# Altium PCB PCB1.PcbDoc (part 6 of 15)
Units mm, origin at the board's own origin, x right, y up, seen from the top; angles counter-clockwise.
Board outline 77.21 x 58.7 mm, 2 copper layers (Top Layer, Bottom Layer); 194 components, 134 nets, 25878 pads, 596 vias.
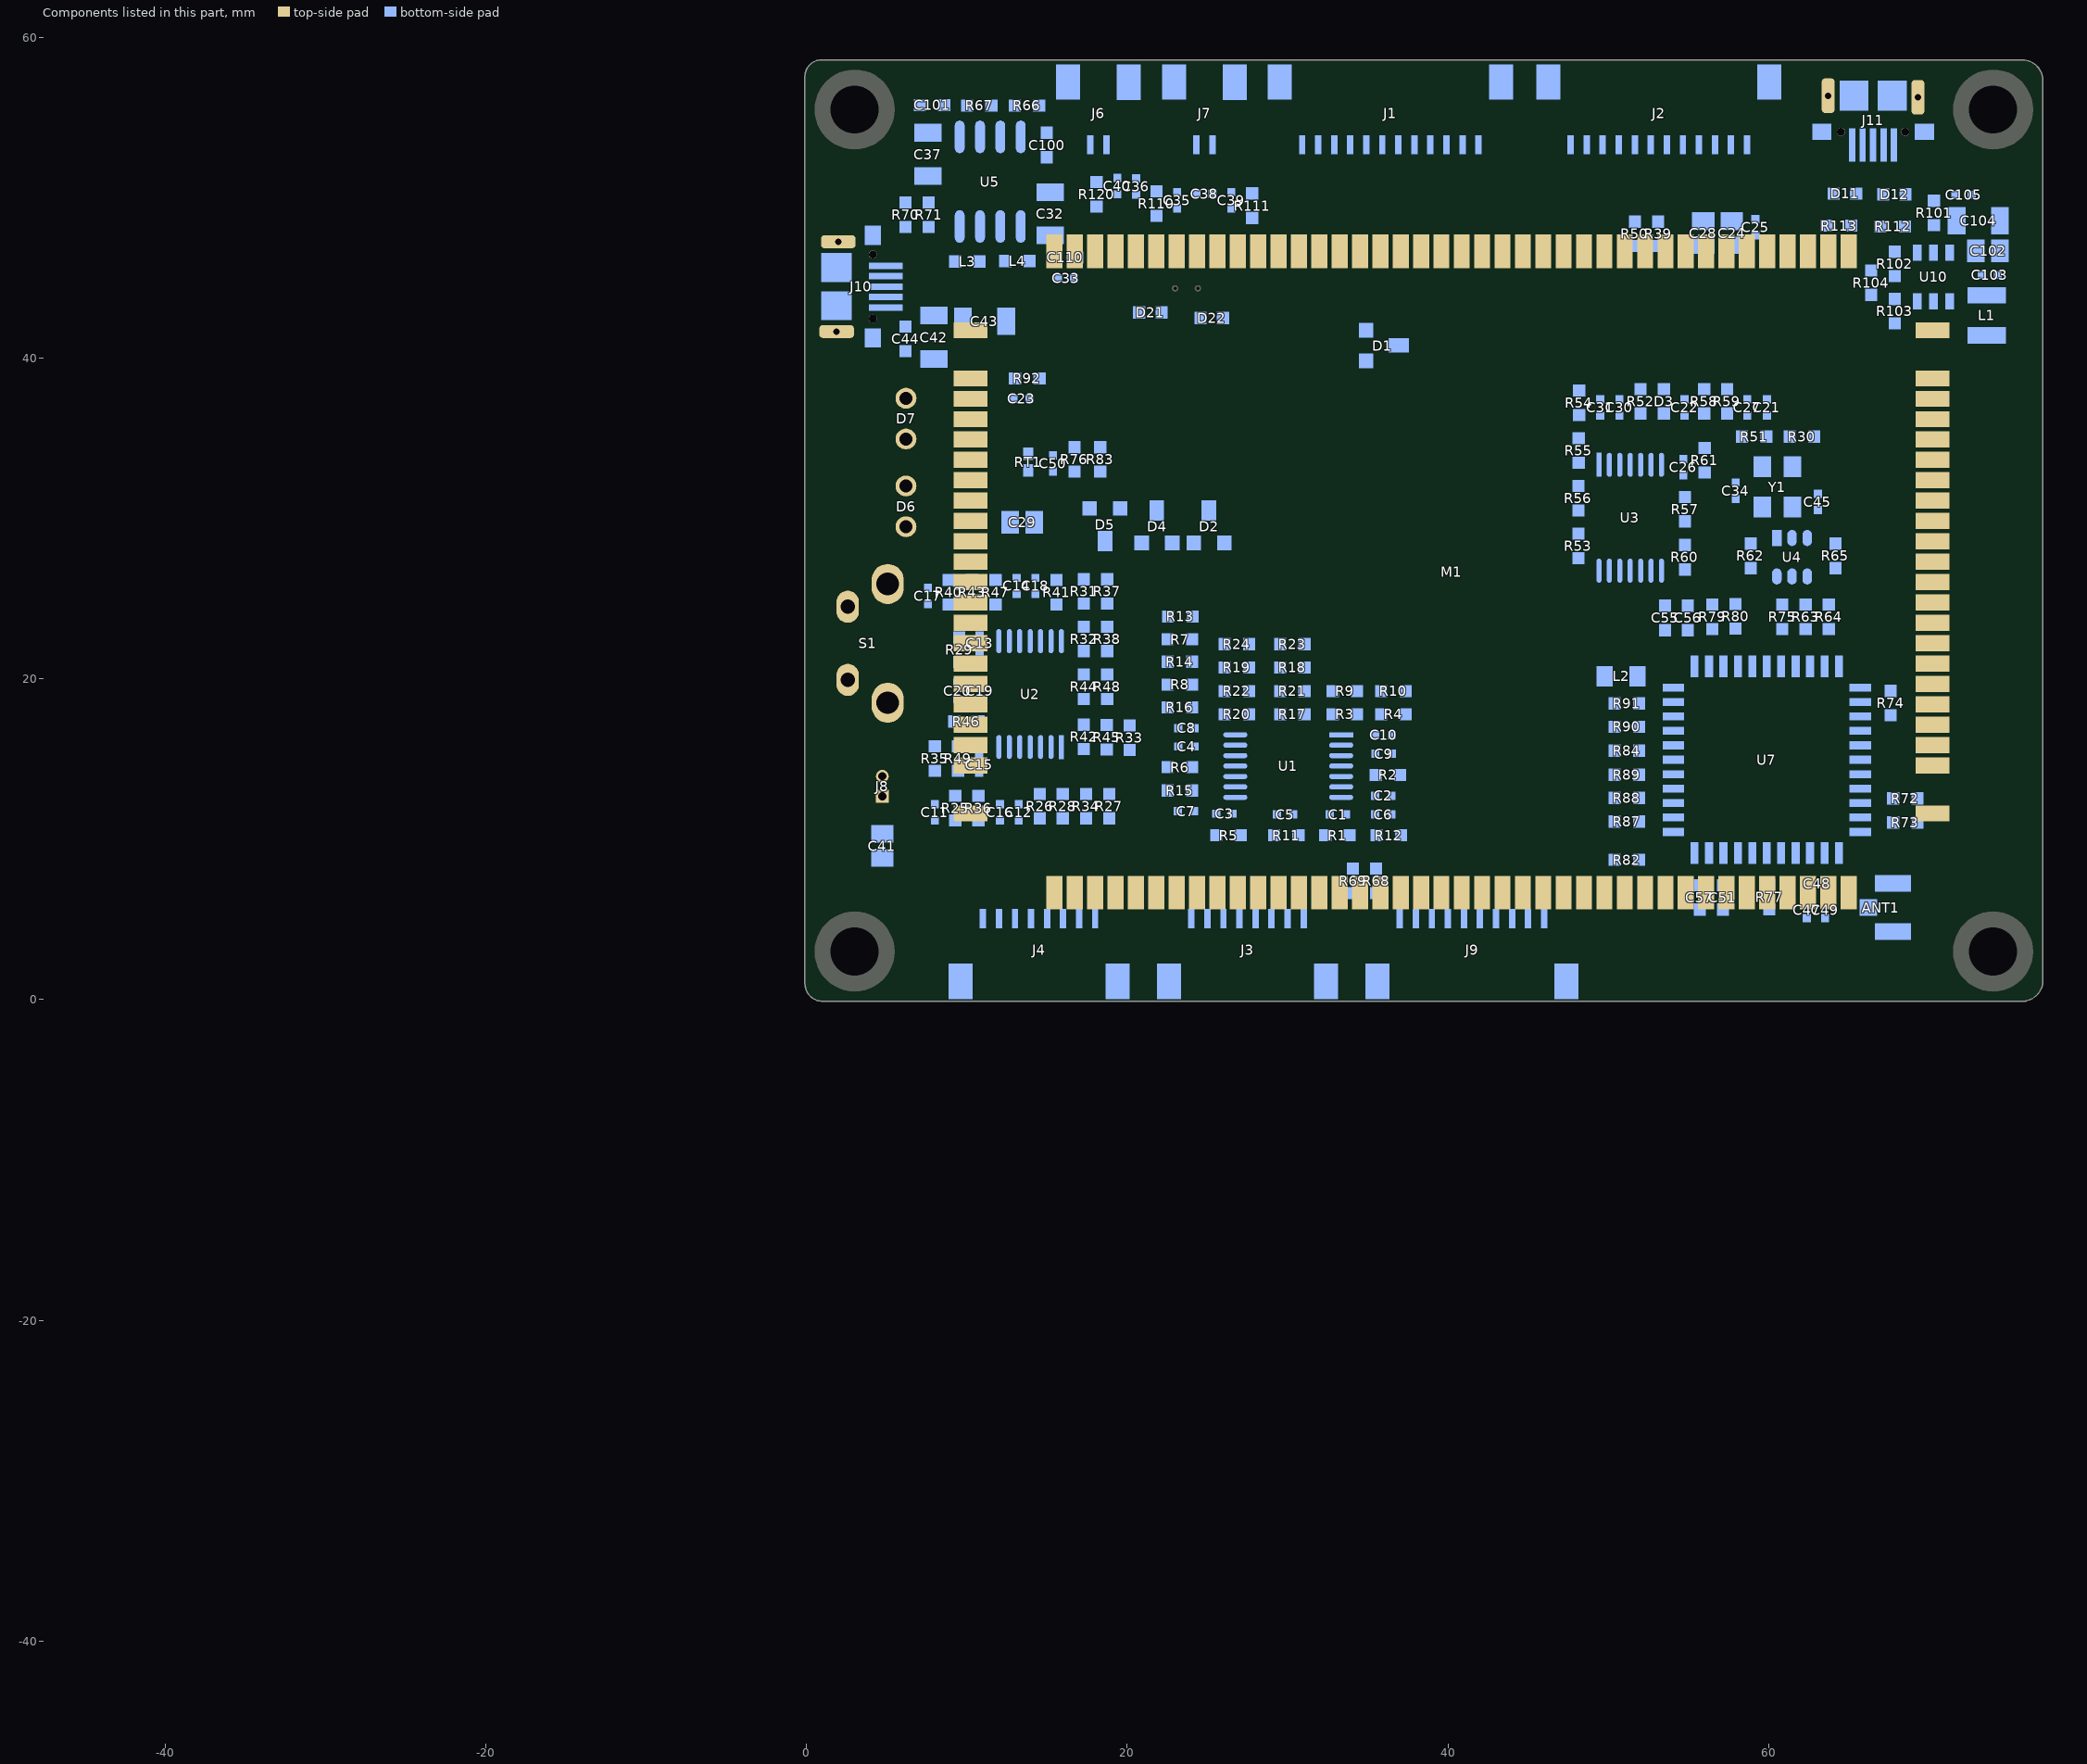
[diagram p6: the components of this part, seen from the top]

## Free pads (board coordinates) (continued)
  round 0 on Mech3: 1(-45.241,-44.023) 1(-45.241,-44.023) 1(-45.241,-44.001) 1(-45.241,-44.001) 1(-45.241,-44.001) 1(-45.241,-44.023) 1(-45.241,-44.023) 1(-45.241,-44.023) 1(-45.241,-44.023) 1(-45.241,-44.023) 1(-45.241,-44.023) 1(-45.241,-44) 1(-45.241,-44) 1(-45.241,-44) 1(-45.24,-43.995) 1(-45.24,-43.995) 1(-45.24,-43.995) 1(-45.24,-43.995) 1(-45.24,-43.995) 1(-45.24,-43.995) 1(-45.24,-43.995) 1(-45.24,-43.995) 1(-45.24,-43.995) 1(-45.24,-43.997) 1(-45.24,-43.997) 1(-45.24,-43.997) 1(-45.24,-43.985) 1(-45.24,-43.985) 1(-45.24,-43.985) 1(-45.24,-43.985) 1(-45.24,-43.985) 1(-45.24,-43.985) 1(-45.24,-43.978) 1(-45.24,-43.978) 1(-45.24,-43.978) 1(-45.24,-43.985) 1(-45.24,-43.985) 1(-45.24,-43.985) 1(-45.24,-43.985) 1(-45.24,-43.985) 1(-45.24,-43.985) 1(-45.24,-44.017) 1(-45.24,-44.017) 1(-45.24,-44.017) 1(-45.24,-43.994) 1(-45.24,-43.994) 1(-45.24,-43.994) 1(-45.24,-43.99) 1(-45.24,-43.99) 1(-45.24,-43.99) 1(-45.239,-44) 1(-45.239,-44) 1(-45.239,-44) 1(-45.239,-43.977) 1(-45.239,-43.977) 1(-45.239,-43.977) 1(-45.239,-44.004) 1(-45.239,-44.004) 1(-45.239,-44.004) 1(-45.239,-44.016) 1(-45.239,-44.016) 1(-45.239,-44.016) 1(-45.239,-43.987) 1(-45.239,-43.987) 1(-45.239,-43.987) 1(-45.239,-44.021) 1(-45.239,-44.021) 1(-45.239,-44.021) 1(-45.239,-44.021) 1(-45.239,-44.021) 1(-45.239,-44.021) 1(-45.239,-44.018) 1(-45.239,-44.018) 1(-45.239,-44.018) 1(-45.239,-43.984) 1(-45.239,-43.984) 1(-45.239,-43.984) 1(-45.239,-43.984) 1(-45.239,-43.984) 1(-45.239,-43.984) 1(-45.239,-43.978) 1(-45.239,-43.978) 1(-45.239,-43.978) 1(-45.239,-44.003) 1(-45.239,-44.003) 1(-45.239,-44.003) 1(-45.239,-44.003) 1(-45.239,-44.003) 1(-45.239,-44.003) 1(-45.239,-44.007) 1(-45.239,-44.007) 1(-45.239,-44.007) 1(-45.238,-43.991) 1(-45.238,-43.991) 1(-45.238,-43.991) 1(-45.238,-43.995) 1(-45.238,-43.995) 1(-45.238,-43.995) 1(-45.238,-43.995) 1(-45.238,-43.995) 1(-45.238,-43.995) 1(-45.238,-43.976) 1(-45.238,-43.976) 1(-45.238,-43.976) 1(-45.238,-43.976) 1(-45.238,-43.976) 1(-45.238,-43.976) 1(-45.238,-44.003) 1(-45.238,-44.003) 1(-45.238,-44.003) 1(-45.238,-43.976) 1(-45.238,-43.976) 1(-45.238,-43.976) 1(-45.238,-43.976) 1(-45.238,-43.976) 1(-45.238,-43.976) 1(-45.238,-43.994) 1(-45.238,-43.994) 1(-45.238,-43.994) 1(-45.238,-44.018) 1(-45.238,-44.018) 1(-45.238,-44.018) 1(-45.237,-44.008) 1(-45.237,-44.008) 1(-45.237,-44.008) 1(-45.237,-44.014) 1(-45.237,-44.014) 1(-45.237,-44.014) 1(-45.237,-44.012) 1(-45.237,-44.012) 1(-45.237,-44.012) 1(-45.237,-44.011) 1(-45.237,-44.011) 1(-45.237,-44.011) 1(-45.237,-44.007) 1(-45.237,-44.007) 1(-45.237,-44.007) 1(-45.237,-43.999) 1(-45.237,-43.999) 1(-45.237,-43.999) 1(-45.237,-44.01) 1(-45.237,-44.01) 1(-45.237,-44.01) 1(-45.237,-44.022) 1(-45.237,-44.022) 1(-45.237,-44.022) 1(-45.237,-44.022) 1(-45.237,-44.022) 1(-45.237,-44.022) 1(-45.237,-44.018) 1(-45.237,-44.018) 1(-45.237,-44.018) 1(-45.237,-44.018) 1(-45.237,-44.018) 1(-45.237,-44.018) 1(-45.237,-43.997) 1(-45.237,-43.997) 1(-45.237,-43.997) 1(-45.237,-43.975) 1(-45.237,-43.975) 1(-45.237,-43.975) 1(-45.237,-43.975) 1(-45.237,-43.975) 1(-45.237,-43.975) 1(-45.237,-43.975) 1(-45.237,-43.975) 1(-45.237,-43.975) 1(-45.237,-43.975) 1(-45.237,-43.975) 1(-45.237,-43.975) 1(-45.236,-44.021) 1(-45.236,-44.021) 1(-45.236,-44.021) 1(-45.236,-44.021) 1(-45.236,-44.021) 1(-45.236,-44.021) 1(-45.236,-44.018) 1(-45.236,-44.018) 1(-45.236,-44.018) 1(-45.236,-44.018) 1(-45.236,-44.018) 1(-45.236,-44.018) 1(-45.236,-43.99) 1(-45.236,-43.99) 1(-45.236,-43.99) 1(-45.236,-44.018) 1(-45.236,-44.018) 1(-45.236,-44.018) 1(-45.236,-44.003) 1(-45.236,-44.003) 1(-45.236,-44.003) 1(-45.236,-43.996) 1(-45.236,-43.996) 1(-45.236,-43.996) 1(-45.236,-43.985) 1(-45.236,-43.985) 1(-45.236,-43.985) 1(-45.236,-43.968) 1(-45.236,-43.968) 1(-45.236,-43.968) 1(-45.236,-44.005) 1(-45.236,-44.005) 1(-45.236,-44.005) 1(-45.236,-43.995) 1(-45.236,-43.995) 1(-45.236,-43.995) 1(-45.236,-43.999) 1(-45.236,-43.999) 1(-45.236,-43.999) 1(-45.236,-43.991) 1(-45.236,-43.991) 1(-45.236,-43.991) 1(-45.235,-44.014) 1(-45.235,-44.014) 1(-45.235,-44.014) 1(-45.235,-44.012) 1(-45.235,-44.012) 1(-45.235,-44.012) 1(-45.235,-44.011) 1(-45.235,-44.011) 1(-45.235,-44.011) 1(-45.235,-44.009) 1(-45.235,-44.009) 1(-45.235,-44.009) 1(-45.235,-44.007) 1(-45.235,-44.007) 1(-45.235,-44.007) 1(-45.235,-44.018) 1(-45.235,-44.018) 1(-45.235,-44.018) 1(-45.235,-44.022) 1(-45.235,-44.022) 1(-45.235,-44.022) 1(-45.235,-44.022) 1(-45.235,-44.022) 1(-45.235,-44.022) 1(-45.235,-44.018) 1(-45.235,-44.018) 1(-45.235,-44.018) 1(-45.235,-44.018) 1(-45.235,-44.018) 1(-45.235,-44.018) 1(-45.235,-43.993) 1(-45.235,-43.993) 1(-45.235,-43.993) 1(-45.234,-43.975) 1(-45.234,-43.975) 1(-45.234,-43.975) 1(-45.234,-44.001) 1(-45.234,-44.001) 1(-45.234,-44.001) 1(-45.234,-44) 1(-45.234,-44) 1(-45.234,-44) 1(-45.234,-43.971) 1(-45.234,-43.971) 1(-45.234,-43.971) 1(-45.234,-43.996) 1(-45.234,-43.996) 1(-45.234,-43.996) 1(-45.234,-44.003) 1(-45.234,-44.003) 1(-45.234,-44.003) 1(-45.234,-43.987) 1(-45.234,-43.987) 1(-45.234,-43.987) 1(-45.234,-43.975) 1(-45.234,-43.975) 1(-45.234,-43.975) 1(-45.234,-43.975) 1(-45.234,-43.975) 1(-45.234,-43.975) 1(-45.234,-44.018) 1(-45.234,-44.018) 1(-45.234,-44.018) 1(-45.234,-44.021) 1(-45.234,-44.021) 1(-45.234,-44.021) 1(-45.234,-44.021) 1(-45.234,-44.021) 1(-45.234,-44.021) 1(-45.234,-44.018) 1(-45.234,-44.018) 1(-45.234,-44.018) 1(-45.234,-44.018) 1(-45.234,-44.018) 1(-45.234,-44.018) 1(-45.234,-44.022) 1(-45.234,-44.022) 1(-45.234,-44.022) 1(-45.234,-43.974) 1(-45.234,-43.974) 1(-45.234,-43.974) 1(-45.234,-43.974) 1(-45.234,-43.974) 1(-45.234,-43.974) 1(-45.233,-44.007) 1(-45.233,-44.007) 1(-45.233,-44.007) 1(-45.233,-44.021) 1(-45.233,-44.021) 1(-45.233,-44.021) 1(-45.233,-44.021) 1(-45.233,-44.021) 1(-45.233,-44.021) 1(-45.233,-44.018) 1(-45.233,-44.018) 1(-45.233,-44.018) 1(-45.233,-44.018) 1(-45.233,-44.018) 1(-45.233,-44.018) 1(-45.233,-44.006) 1(-45.233,-44.006) 1(-45.233,-44.006) 1(-45.233,-44.011) 1(-45.233,-44.011) 1(-45.233,-44.011) 1(-45.233,-44.012) 1(-45.233,-44.012) 1(-45.233,-44.012) 1(-45.233,-44.009) 1(-45.233,-44.009) 1(-45.233,-44.009) 1(-45.232,-44.018) 1(-45.232,-44.018) 1(-45.232,-44.018) 1(-45.232,-44.014) 1(-45.232,-44.014) 1(-45.232,-44.014) 1(-45.232,-43.989) 1(-45.232,-43.989) 1(-45.232,-43.989) 1(-45.232,-43.976) 1(-45.232,-43.976) 1(-45.232,-43.976) 1(-45.232,-43.976) 1(-45.232,-43.976) 1(-45.232,-43.976) 1(-45.232,-43.995) 1(-45.232,-43.995) 1(-45.232,-43.995) 1(-45.232,-43.976) 1(-45.232,-43.976) 1(-45.232,-43.976) 1(-45.232,-43.976) 1(-45.232,-43.976) 1(-45.232,-43.976) 1(-45.232,-44.02) 1(-45.232,-44.02) 1(-45.232,-44.02) 1(-45.232,-44.02) 1(-45.232,-44.02) 1(-45.232,-44.02) 1(-45.232,-43.968) 1(-45.232,-43.968) 1(-45.232,-43.968) 1(-45.232,-43.974) 1(-45.232,-43.974) 1(-45.232,-43.974) 1(-45.232,-43.974) 1(-45.232,-43.974) 1(-45.232,-43.974) 1(-45.232,-43.973) 1(-45.232,-43.973) 1(-45.232,-43.973) 1(-45.232,-43.973) 1(-45.232,-43.973) 1(-45.232,-43.973) 1(-45.232,-43.976) 1(-45.232,-43.976) 1(-45.232,-43.976) 1(-45.232,-43.976) 1(-45.232,-43.976) 1(-45.232,-43.976) 1(-45.232,-44.02) 1(-45.232,-44.02) 1(-45.232,-44.02) 1(-45.232,-44.02) 1(-45.232,-44.02) 1(-45.232,-44.02) 1(-45.232,-44.021) 1(-45.232,-44.021) 1(-45.232,-44.021) 1(-45.231,-43.975) 1(-45.231,-43.975) 1(-45.231,-43.975) 1(-45.231,-43.975) 1(-45.231,-43.975) 1(-45.231,-43.975) 1(-45.231,-43.975) 1(-45.231,-43.975) 1(-45.231,-43.975) 1(-45.231,-43.975) 1(-45.231,-43.975) 1(-45.231,-43.975) 1(-45.231,-43.976) 1(-45.231,-43.976) 1(-45.231,-43.976) 1(-45.231,-43.976) 1(-45.231,-43.976) 1(-45.231,-43.976) 1(-45.231,-43.976) 1(-45.231,-43.976) 1(-45.231,-43.976) 1(-45.231,-43.976) 1(-45.231,-43.976) 1(-45.231,-43.976) 1(-45.231,-44.02) 1(-45.231,-44.02) 1(-45.231,-44.02) 1(-45.231,-44.02) 1(-45.231,-44.02) 1(-45.231,-44.02) 1(-45.231,-44.018) 1(-45.231,-44.018) 1(-45.231,-44.018) 1(-45.231,-44.022) 1(-45.231,-44.022) 1(-45.231,-44.022) 1(-45.231,-43.974) 1(-45.231,-43.974) 1(-45.231,-43.974) 1(-45.231,-43.974) 1(-45.231,-43.974) 1(-45.231,-43.974) 1(-45.231,-43.974) 1(-45.231,-43.974) 1(-45.231,-43.974) 1(-45.231,-43.969) 1(-45.231,-43.969) 1(-45.231,-43.969) 1(-45.231,-43.974) 1(-45.231,-43.974) 1(-45.231,-43.974) 1(-45.231,-43.974) 1(-45.231,-43.974) 1(-45.231,-43.974) 1(-45.231,-43.974) 1(-45.231,-43.974) 1(-45.231,-43.974) 1(-45.231,-43.977) 1(-45.231,-43.977) 1(-45.231,-43.977) 1(-45.231,-43.977) 1(-45.231,-43.977) 1(-45.231,-43.977) 1(-45.231,-43.974) 1(-45.231,-43.974) 1(-45.231,-43.974) 1(-45.231,-43.974) 1(-45.231,-43.974) 1(-45.231,-43.974) 1(-45.231,-43.997) 1(-45.231,-43.997) 1(-45.231,-43.997) 1(-45.231,-43.973) 1(-45.231,-43.973) 1(-45.231,-43.973) 1(-45.231,-43.973) 1(-45.231,-43.973) 1(-45.231,-43.973) 1(-45.231,-43.991) 1(-45.231,-43.991) 1(-45.231,-43.991) 1(-45.23,-43.995) 1(-45.23,-43.995) 1(-45.23,-43.995) 1(-45.23,-44.014) 1(-45.23,-44.014) 1(-45.23,-44.014) 1(-45.23,-43.969) 1(-45.23,-43.969) 1(-45.23,-43.969) 1(-45.23,-43.968) 1(-45.23,-43.968) 1(-45.23,-43.968) 1(-45.23,-44.014) 1(-45.23,-44.014) 1(-45.23,-44.014) 1(-45.23,-44.007) 1(-45.23,-44.007) 1(-45.23,-44.007) 1(-45.23,-44.006) 1(-45.23,-44.006) 1(-45.23,-44.006) 1(-45.23,-44.009) 1(-45.23,-44.009) 1(-45.23,-44.009) 1(-45.23,-43.972) 1(-45.23,-43.972) 1(-45.23,-43.972) 1(-45.23,-43.972) 1(-45.23,-43.972) 1(-45.23,-43.972) 1(-45.23,-44.011) 1(-45.23,-44.011) 1(-45.23,-44.011) 1(-45.23,-44.003) 1(-45.23,-44.003) 1(-45.23,-44.003) 1(-45.23,-44.012) 1(-45.23,-44.012) 1(-45.23,-44.012) 1(-45.23,-43.991) 1(-45.23,-43.991) 1(-45.23,-43.991) 1(-45.23,-43.999) 1(-45.23,-43.999) 1(-45.23,-43.999) 1(-45.23,-43.999) 1(-45.23,-43.999) 1(-45.23,-43.999) 1(-45.229,-43.972) 1(-45.229,-43.972) 1(-45.229,-43.972) 1(-45.229,-43.972) 1(-45.229,-43.972) 1(-45.229,-43.972) 1(-45.229,-43.999) 1(-45.229,-43.999) 1(-45.229,-43.999) 1(-45.229,-43.974) 1(-45.229,-43.974) 1(-45.229,-43.974) 1(-45.229,-43.974) 1(-45.229,-43.974) 1(-45.229,-43.974) 1(-45.229,-44.007) 1(-45.229,-44.007) 1(-45.229,-44.007) 1(-45.229,-43.971) 1(-45.229,-43.971) 1(-45.229,-43.971) 1(-45.229,-44.002) 1(-45.229,-44.002) 1(-45.229,-44.002) 1(-45.229,-43.995) 1(-45.229,-43.995) 1(-45.229,-43.995) 1(-45.229,-43.973) 1(-45.229,-43.973) 1(-45.229,-43.973) 1(-45.229,-43.973) 1(-45.229,-43.973) 1(-45.229,-43.973) 1(-45.229,-43.98) 1(-45.229,-43.98) 1(-45.229,-43.98) 1(-45.229,-44.016) 1(-45.229,-44.016) 1(-45.229,-44.016) 1(-45.228,-44.005) 1(-45.228,-44.005) 1(-45.228,-44.005) 1(-45.228,-44.005) 1(-45.228,-44.005) 1(-45.228,-44.005) 1(-45.228,-44.001) 1(-45.228,-44.001) 1(-45.228,-44.001) 1(-45.228,-44.001) 1(-45.228,-44.001) 1(-45.228,-44.001) 1(-45.228,-44.005) 1(-45.228,-44.005) 1(-45.228,-44.005) 1(-45.228,-44.005) 1(-45.228,-44.005) 1(-45.228,-44.005) 1(-45.228,-44.022) 1(-45.228,-44.022) 1(-45.228,-44.022) 1(-45.228,-44.001) 1(-45.228,-44.001) 1(-45.228,-44.001) 1(-45.228,-44.021) 1(-45.228,-44.021) 1(-45.228,-44.021) 1(-45.228,-44.015) 1(-45.228,-44.015) 1(-45.228,-44.015) 1(-45.228,-44.018) 1(-45.228,-44.018) 1(-45.228,-44.018) 1(-45.227,-44.023) 1(-45.227,-44.023) 1(-45.227,-44.023) 1(-45.227,-44.023) 1(-45.227,-44.023) 1(-45.227,-44.023) 1(-45.227,-44.023) 1(-45.227,-44.023) 1(-45.227,-44.023) 1(-45.227,-44.023) 1(-45.227,-44.023) 1(-45.227,-44.023) 1(-45.227,-44) 1(-45.227,-44) 1(-45.227,-44) 1(-45.227,-44) 1(-45.227,-44) 1(-45.227,-44) 1(-45.227,-44.024) 1(-45.227,-44.024) 1(-45.227,-44.024) 1(-45.227,-44.024) 1(-45.227,-44.024) 1(-45.227,-44.024) 1(-45.227,-44.004) 1(-45.227,-44.004) 1(-45.227,-44.004) 1(-45.227,-44.022) 1(-45.227,-44.022) 1(-45.227,-44.022) 1(-45.227,-44.022) 1(-45.227,-44.022) 1(-45.227,-44.022) 1(-45.227,-44.012) 1(-45.227,-44.012) 1(-45.227,-44.012) 1(-45.227,-44.012) 1(-45.227,-44.012) 1(-45.227,-44.012) 1(-45.227,-44.024) 1(-45.227,-44.024) 1(-45.227,-44.024) 1(-45.227,-44.024) 1(-45.227,-44.024) 1(-45.227,-44.024) 1(-45.226,-43.978) 1(-45.226,-43.978) 1(-45.226,-43.978) 1(-45.226,-43.973) 1(-45.226,-43.973) 1(-45.226,-43.973) 1(-45.226,-43.973) 1(-45.226,-43.973) 1(-45.226,-43.973) 1(-45.226,-44.001) 1(-45.226,-44.001) 1(-45.226,-44.001) 1(-45.226,-44.001) 1(-45.226,-44.001) 1(-45.226,-44.001) 1(-45.226,-43.999) 1(-45.226,-43.999) 1(-45.226,-43.999) 1(-45.226,-43.999) 1(-45.226,-43.999) 1(-45.226,-43.999) 1(-45.226,-44.022) 1(-45.226,-44.022) 1(-45.226,-44.022) 1(-45.226,-44.022) 1(-45.226,-44.022) 1(-45.226,-44.022) 1(-45.226,-44.015) 1(-45.226,-44.015) 1(-45.226,-44.015) 1(-45.226,-44.015) 1(-45.226,-44.015) 1(-45.226,-44.015) 1(-45.226,-44.002) 1(-45.226,-44.002) 1(-45.226,-44.002) 1(-45.226,-44.002) 1(-45.226,-44.002) 1(-45.226,-44.002) 1(-45.226,-44.008) 1(-45.226,-44.008) 1(-45.226,-44.008) 1(-45.226,-43.998) 1(-45.226,-43.998) 1(-45.226,-43.998) 1(-45.226,-43.998) 1(-45.226,-43.998) 1(-45.226,-43.998) 1(-45.226,-44.003) 1(-45.226,-44.003) 1(-45.226,-44.003) 1(-45.226,-44.003) 1(-45.226,-44.003) 1(-45.226,-44.003) 1(-45.226,-44.022) 1(-45.226,-44.022) 1(-45.226,-44.022) 1(-45.226,-44.022) 1(-45.226,-44.022) 1(-45.226,-44.022) 1(-45.226,-44.015) 1(-45.226,-44.015) 1(-45.226,-44.015) 1(-45.226,-44.015) 1(-45.226,-44.015) 1(-45.226,-44.015) 1(-45.226,-43.991) 1(-45.226,-43.991) 1(-45.226,-43.991) 1(-45.226,-43.991) 1(-45.226,-43.991) 1(-45.226,-43.991) 1(-45.225,-43.996) 1(-45.225,-43.996) 1(-45.225,-43.996) 1(-45.225,-43.996) 1(-45.225,-43.996) 1(-45.225,-43.996) 1(-45.225,-43.995) 1(-45.225,-43.995) 1(-45.225,-43.995) 1(-45.225,-43.995) 1(-45.225,-43.995) 1(-45.225,-43.995) 1(-45.225,-44.023) 1(-45.225,-44.023) 1(-45.225,-44.023) 1(-45.225,-44.023) 1(-45.225,-44.023) 1(-45.225,-44.023) 1(-45.225,-44.012) 1(-45.225,-44.012) 1(-45.225,-44.012) 1(-45.225,-44.012) 1(-45.225,-44.012) 1(-45.225,-44.012) 1(-45.225,-43.971) 1(-45.225,-43.971) 1(-45.225,-43.971) 1(-45.225,-44.024) 1(-45.225,-44.024) 1(-45.225,-44.024) 1(-45.225,-44.003) 1(-45.225,-44.003) 1(-45.225,-44.003) 1(-45.225,-43.986) 1(-45.225,-43.986) 1(-45.225,-43.986) 1(-45.225,-43.986) 1(-45.225,-43.986) 1(-45.225,-43.986) 1(-45.225,-43.985) 1(-45.225,-43.985) 1(-45.225,-43.985) 1(-45.225,-43.985) 1(-45.225,-43.985) 1(-45.225,-43.985) 1(-45.225,-43.993) 1(-45.225,-43.993) 1(-45.225,-43.993) 1(-45.225,-43.993) 1(-45.225,-43.993) 1(-45.225,-43.993) 1(-45.225,-43.987) 1(-45.225,-43.987) 1(-45.225,-43.987) 1(-45.225,-43.987) 1(-45.225,-43.987) 1(-45.225,-43.987) 1(-45.225,-43.986) 1(-45.225,-43.986) 1(-45.225,-43.986) 1(-45.225,-43.986) 1(-45.225,-43.986) 1(-45.225,-43.986) 1(-45.225,-43.975) 1(-45.225,-43.975) 1(-45.225,-43.975) 1(-45.224,-44.021) 1(-45.224,-44.021) 1(-45.224,-44.021) 1(-45.224,-44.018) 1(-45.224,-44.018) 1(-45.224,-44.018) 1(-45.224,-43.972) 1(-45.224,-43.972) 1(-45.224,-43.972) 1(-45.224,-43.972) 1(-45.224,-43.972) 1(-45.224,-43.972) 1(-45.224,-44.002) 1(-45.224,-44.002) 1(-45.224,-44.002) 1(-45.224,-44.002) 1(-45.224,-44.002) 1(-45.224,-44.002) 1(-45.224,-43.999) 1(-45.224,-43.999) 1(-45.224,-43.999) 1(-45.224,-43.999) 1(-45.224,-43.999) 1(-45.224,-43.999) 1(-45.224,-43.974) 1(-45.224,-43.974) 1(-45.224,-43.974) 1(-45.224,-43.974) 1(-45.224,-43.974) 1(-45.224,-43.974) 1(-45.224,-43.995) 1(-45.224,-43.995) 1(-45.224,-43.995) 1(-45.224,-43.995) 1(-45.224,-43.995) 1(-45.224,-43.995) 1(-45.223,-43.996) 1(-45.223,-43.996) 1(-45.223,-43.996) 1(-45.223,-43.996) 1(-45.223,-43.996) 1(-45.223,-43.996) 1(-45.223,-43.995) 1(-45.223,-43.995) 1(-45.223,-43.995) 1(-45.223,-43.995) 1(-45.223,-43.995) 1(-45.223,-43.995) 1(-45.223,-43.993) 1(-45.223,-43.993) 1(-45.223,-43.993) 1(-45.223,-43.991) 1(-45.223,-43.991) 1(-45.223,-43.991) 1(-45.223,-43.991) 1(-45.223,-43.991) 1(-45.223,-43.991) 1(-45.223,-43.986) 1(-45.223,-43.986) 1(-45.223,-43.986) 1(-45.223,-44.008) 1(-45.223,-44.008) 1(-45.223,-44.008) 1(-45.223,-44.007) 1(-45.223,-44.007) 1(-45.223,-44.007) 1(-45.223,-44.005) 1(-45.223,-44.005) 1(-45.223,-44.005) 1(-45.223,-44.004) 1(-45.223,-44.004) 1(-45.223,-44.004) 1(-45.223,-44.003) 1(-45.223,-44.003) 1(-45.223,-44.003) 1(-45.223,-44.001) 1(-45.223,-44.001) 1(-45.223,-44.001) 1(-45.223,-44) 1(-45.223,-44) 1(-45.223,-44) 1(-45.223,-43.999) 1(-45.223,-43.999) 1(-45.223,-43.999) 1(-45.223,-43.998) 1(-45.223,-43.998) 1(-45.223,-43.998) 1(-45.223,-43.996) 1(-45.223,-43.996) 1(-45.223,-43.996) 1(-45.223,-43.995) 1(-45.223,-43.995) 1(-45.223,-43.995) 1(-45.223,-43.994) 1(-45.223,-43.994) 1(-45.223,-43.994) 1(-45.223,-43.993) 1(-45.223,-43.993) 1(-45.223,-43.993) 1(-45.223,-43.993) 1(-45.223,-43.993) 1(-45.223,-43.993) 1(-45.223,-43.991) 1(-45.223,-43.991) 1(-45.223,-43.991) 1(-45.223,-43.987) 1(-45.223,-43.987) 1(-45.223,-43.987) 1(-45.223,-43.986) 1(-45.223,-43.986) 1(-45.223,-43.986) 1(-45.223,-43.986) 1(-45.223,-43.986) 1(-45.223,-43.986) 1(-45.223,-43.982) 1(-45.223,-43.982) 1(-45.223,-43.982) 1(-45.223,-43.969) 1(-45.223,-43.969) 1(-45.223,-43.969) 1(-45.223,-43.98) 1(-45.223,-43.98) 1(-45.223,-43.98) 1(-45.223,-43.974) 1(-45.223,-43.974) 1(-45.223,-43.974) 1(-45.223,-44.008) 1(-45.223,-44.008) 1(-45.223,-44.008) 1(-45.223,-44.008) 1(-45.223,-44.008) 1(-45.223,-44.008) 1(-45.223,-43.984) 1(-45.223,-43.984) 1(-45.223,-43.984) 1(-45.223,-44.012) 1(-45.223,-44.012) 1(-45.223,-44.012) 1(-45.223,-44.014) 1(-45.223,-44.014) 1(-45.223,-44.014) 1(-45.223,-43.967) 1(-45.223,-43.967) 1(-45.223,-43.967) 1(-45.223,-44.021) 1(-45.223,-44.021) 1(-45.223,-44.021) 1(-45.222,-43.968) 1(-45.222,-43.968) 1(-45.222,-43.968) 1(-45.222,-43.974) 1(-45.222,-43.974) 1(-45.222,-43.974) 1(-45.222,-43.974) 1(-45.222,-43.974) 1(-45.222,-43.974) 1(-45.222,-43.999) 1(-45.222,-43.999) 1(-45.222,-43.999) 1(-45.222,-44.008) 1(-45.222,-44.008) 1(-45.222,-44.008) 1(-45.222,-44.008) 1(-45.222,-44.008) 1(-45.222,-44.008) 1(-45.222,-43.997) 1(-45.222,-43.997) 1(-45.222,-43.997) 1(-45.222,-44.024) 1(-45.222,-44.024) 1(-45.222,-44.024) 1(-45.222,-43.994) 1(-45.222,-43.994) 1(-45.222,-43.994) 1(-45.222,-43.994) 1(-45.222,-43.994) 1(-45.222,-43.994) 1(-45.222,-44.013) 1(-45.222,-44.013) 1(-45.222,-44.013) 1(-45.222,-43.995) 1(-45.222,-43.995) 1(-45.222,-43.995) 1(-45.222,-43.988) 1(-45.222,-43.988) 1(-45.222,-43.988) 1(-45.222,-43.978) 1(-45.222,-43.978) 1(-45.222,-43.978) 1(-45.222,-43.978) 1(-45.222,-43.978) 1(-45.222,-43.978) 1(-45.222,-43.976) 1(-45.222,-43.976) 1(-45.222,-43.976) 1(-45.222,-43.976) 1(-45.222,-43.976) 1(-45.222,-43.976) 1(-45.222,-43.985) 1(-45.222,-43.985) 1(-45.222,-43.985) 1(-45.222,-43.972) 1(-45.222,-43.972) 1(-45.222,-43.972) 1(-45.222,-44.01) 1(-45.222,-44.01) 1(-45.222,-44.01) 1(-45.221,-43.98) 1(-45.221,-43.98) 1(-45.221,-43.98) 1(-45.221,-44.007) 1(-45.221,-44.007) 1(-45.221,-44.007) 1(-45.221,-44.007) 1(-45.221,-44.007) 1(-45.221,-44.007) 1(-45.221,-43.993) 1(-45.221,-43.993) 1(-45.221,-43.993) 1(-45.221,-43.99) 1(-45.221,-43.99) 1(-45.221,-43.99) 1(-45.221,-43.974) 1(-45.221,-43.974) 1(-45.221,-43.974) 1(-45.221,-43.989) 1(-45.221,-43.989) 1(-45.221,-43.989) 1(-45.221,-44.005) 1(-45.221,-44.005) 1(-45.221,-44.005) 1(-45.221,-44.005) 1(-45.221,-44.005) 1(-45.221,-44.005) 1(-45.221,-44.019) 1(-45.221,-44.019) 1(-45.221,-44.019) 1(-45.22,-43.975) 1(-45.22,-43.975) 1(-45.22,-43.975) 1(-45.22,-44.004) 1(-45.22,-44.004) 1(-45.22,-44.004) 1(-45.22,-44.004) 1(-45.22,-44.004) 1(-45.22,-44.004) 1(-45.22,-43.972) 1(-45.22,-43.972) 1(-45.22,-43.972) 1(-45.219,-43.987) 1(-45.219,-43.987) 1(-45.219,-43.987) 1(-45.219,-44.013) 1(-45.219,-44.013) 1(-45.219,-44.013) 1(-45.219,-44) 1(-45.219,-44) 1(-45.219,-44) 1(-45.219,-43.975) 1(-45.219,-43.975) 1(-45.219,-43.975) 1(-45.218,-43.976) 1(-45.218,-43.976) 1(-45.218,-43.976) 1(-45.218,-43.981) 1(-45.218,-43.981) 1(-45.218,-43.981) 1(-45.218,-43.978) 1(-45.218,-43.978) 1(-45.218,-43.978) 1(-45.218,-43.983) 1(-45.218,-43.983) 1(-45.218,-43.983) 1(-45.218,-44.024) 1(-45.218,-44.024) 1(-45.218,-44.024) 1(-45.218,-44.02) 1(-45.218,-44.02) 1(-45.218,-44.02) 1(-45.218,-43.987) 1(-45.218,-43.987) 1(-45.218,-43.987) 1(-45.218,-43.967) 1(-45.218,-43.967) 1(-45.218,-43.967) 1(-45.217,-43.991) 1(-45.217,-43.991) 1(-45.217,-43.991) 1(-45.217,-43.999) 1(-45.217,-43.999) 1(-45.217,-43.999) 1(-45.217,-43.995) 1(-45.217,-43.995) 1(-45.217,-43.995) 1(-45.217,-43.972) 1(-45.217,-43.972) 1(-45.217,-43.972) 1(-45.217,-44.008) 1(-45.217,-44.008) 1(-45.217,-44.008) 1(-45.217,-44.013) 1(-45.217,-44.013) 1(-45.217,-44.013) 1(-45.217,-44.003) 1(-45.217,-44.003) 1(-45.217,-44.003)